# Allegro board 20250806_UNOQ.brd (continued)
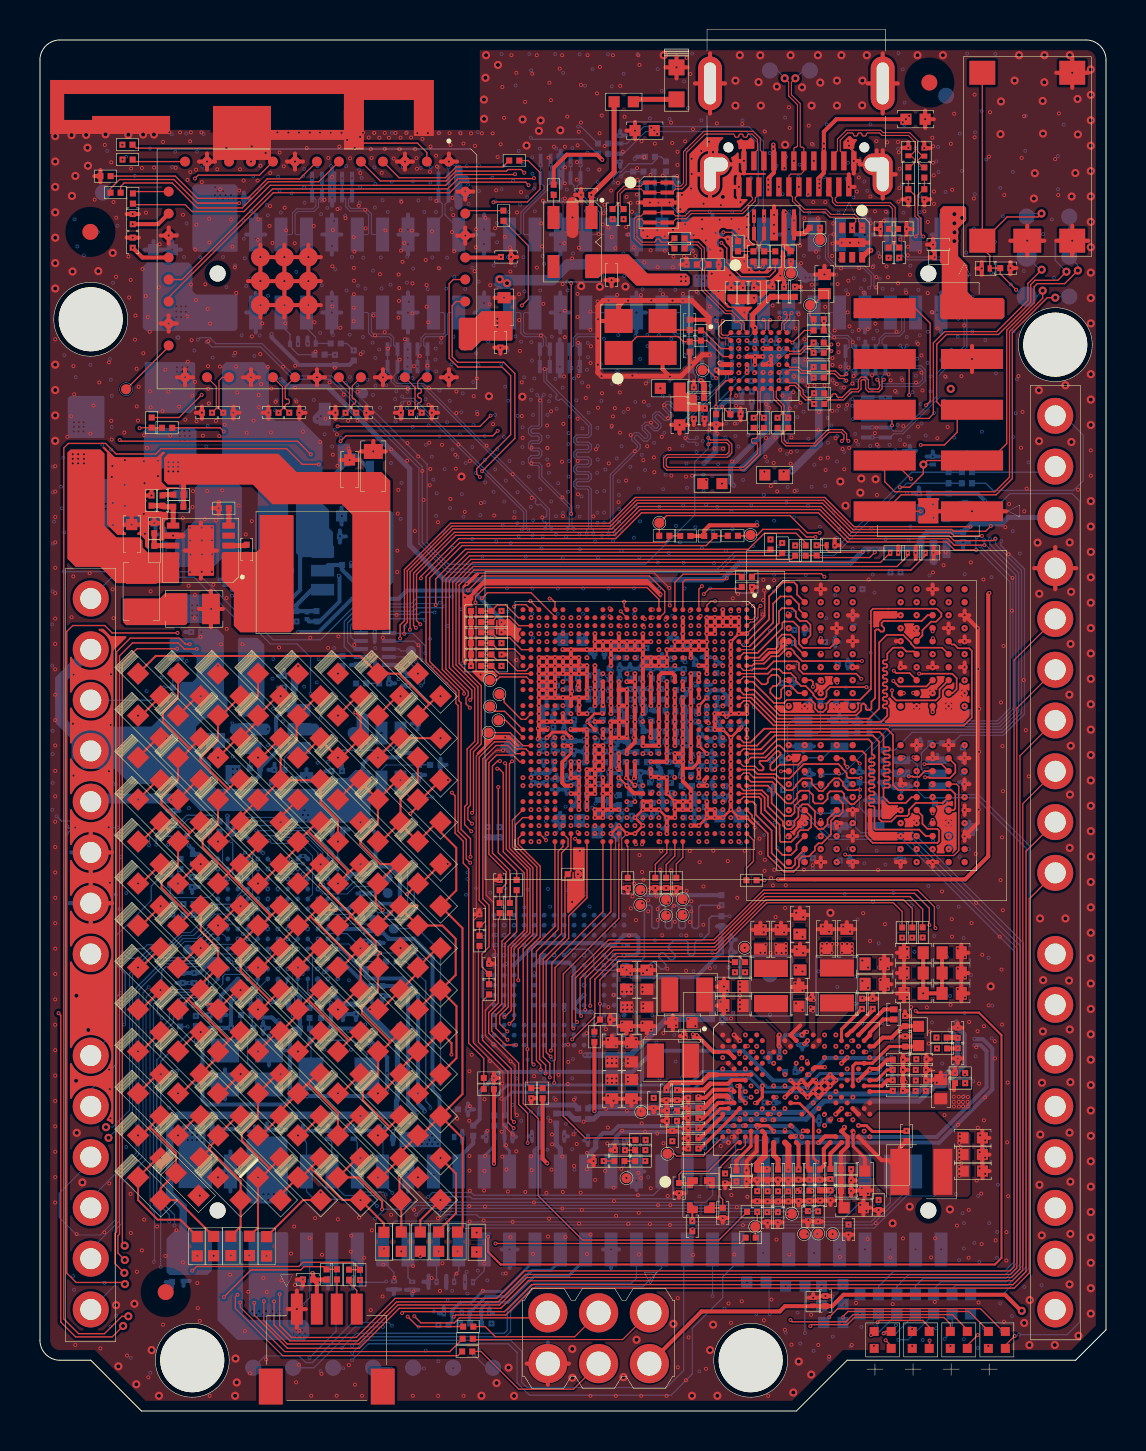
[diagram p0: board, top side]
## Routing (per net, layer and track width the routed paths; a pad name or vN(x,y) marks a point on that pad's centre or on a via; arc(x,y) is an arc through that point) (continued)
VREG_S4A_2P04V: length 10.7
  TOP w0.15: 36.04,14.28 36.04,14.28 36.43,14.28 PMIC1.V10
  TOP w0.2: PMIC1.A23 40.58,19 40.62,19 41.66,20.05 v2(41.66,20.12) ; v2(41.52,17.04) PMIC1.G27 ; PMIC1.G27 41.34,16.93 v2(40.95,16.55) ; PMIC1.G27 41.93,17.11 42.4,17.58 C505.1
  TOP w0.203: v2(36.73,14) PMIC1.V10 ; 35.9,14.28 PMIC1.U7 ; 35.9,14.28 v2(35.9,14.18) ; 35.9,14.28 36.04,14.28
  S3 w0.1: 29.72,17.62 v2(29.41,17.62)
  S3 w0.15: v2(35.9,14.18) 35.9,12.43 35.71,12.25 35.71,11.23 35.74,11.2 35.74,11.18 35.89,11.03 v2(35.89,11)
  S3 w0.203: v2(40.95,16.55) 40.97,16.56 40.97,16.69 v3(41.07,16.79) ; v2(36.73,14) 36.73,13.72 v3(36.68,13.68) ; v2(37.28,14.07) 37.29,14.07 v3(37.29,14.41) ; v3(41.43,16.78) 41.45,16.78 41.45,16.84 41.52,16.91 v2(41.52,17.04) ; v3(42.09,20.55) 41.66,20.12 v2(41.66,20.12)
  vias: v1(28.4,17.65) v1(28.4,17.4) v1(28.4,16.63) v1(28.4,16.41) v1(28.62,17.65) v1(28.62,17.4) v1(28.62,16.63) v1(28.62,16.41) v1(28.84,17.65) v1(28.84,17.4) v1(28.84,16.63) v1(28.84,16.41) v1(29.41,17.4) v1(29.41,16.7) v1(29.41,16.48) v2(28.4,17.65) v2(28.4,17.4) v2(28.4,16.63) v2(28.4,16.41) v2(28.62,17.65) v2(28.62,17.4) v2(28.62,16.63) v2(28.62,16.41) v2(28.84,17.65) v2(28.84,17.4) v2(28.84,16.63) v2(28.84,16.41) v2(29.41,17.4) v2(29.41,16.7) v2(29.41,16.48) v3(28.44,17.11) v3(28.82,17.09) v3(29.13,17.49) v3(29.13,16.71) v3(29.2,17.09)
VREG_XO: length 2.8
  S3 w0.15: v2(34.3,11.85) 34.3,11.85 35.18,12.73 35.18,13.65 35.18,14.14 v2(35.18,14.28)
VRG_CHG: length 5.5
  S3 w0.2: v2(39.98,14.56) 39.85,14.43 39.85,14.05 40.33,13.57 40.33,9.45 v2(40.46,9.32)
VSNS_S1A_APC_M: length 40.7
  TOP w0.053: v2(38.1,17.65) 38.12,17.67 PMIC1.E15
  S3 w0.066: v2(38.1,17.65) 38.1,17.66 38.31,17.86 38.4,17.86 38.4,17.9 v3(38.37,17.9)
  S6 w0.058: v3(38.37,17.9) 38.6,17.9 38.79,18.08 38.79,18.31 38.63,18.47 38.13,18.47 37.97,18.31 37.97,17.86 38.43,17.4 38.43,16.87 37.89,16.33 36.07,16.33 35.71,15.98 35.71,14.15 37.09,12.78 37.62,12.78 37.84,12.56 37.84,11.57 37.24,10.97 28.85,10.97 27.81,12.01 27.81,26.56 26.65,27.72 26.65,28.41 26.59,28.47 26.49,28.47 26.44,28.53 26.44,28.88
VSNS_S1A_APC_P: length 40.8
  TOP w0.053: v2(38.38,17.51) 38.41,17.48 PMIC1.F16
  S3 w0.066: v2(38.38,17.51) 38.52,17.51 38.59,17.58 v3(38.69,17.58)
  S6 w0.058: 26.99,28.88 26.99,28.53 26.93,28.47 26.84,28.47 26.78,28.41 26.78,27.78 27.94,26.61 27.94,12.06 28.9,11.1 37.18,11.1 37.71,11.62 37.71,12.51 37.57,12.65 37.04,12.65 35.59,14.1 35.59,16.03 36.01,16.46 37.84,16.46 38.3,16.92 38.3,17.35 37.84,17.8 37.84,18.37 38.07,18.59 38.69,18.59 38.91,18.37 38.91,18.03 38.69,17.8 v3(38.69,17.58)
VSNS_S2A_CX_M: length 34.1
  S3 w0.066: v3(37.85,16.86) 37.9,16.81 37.97,16.81 37.97,16.79 37.97,16.96 PMIC1.G15 38.12,17.11 38.11,17.11 v2(38.08,17.11)
  S6 w0.051: 37.45,18.04 37.45,18.05 37.45,18.06 37.4,18.16 37.4,18.17 37.4,20.64 v4(37.51,20.75)
  S6 w0.058: v4(29.03,39.24) 28.87,39.24 28.77,39.14 27.89,39.14 27.56,39.48 26.62,39.48 26.62,39.48 26.43,39.48 26.3,39.35 26.3,39.12 ; 37.45,18.04 37.75,17.74 37.75,17.51 37.85,17.41 v3(37.85,16.86)
  G7 w0.051: v4(37.51,20.75) 37.45,20.81 37.45,20.95 38.05,21.55 38.05,27.65 36.35,29.35 36.35,38.32 35.52,39.15 29.12,39.15 v4(29.03,39.24)
VSNS_S2A_CX_P: length 33
  S3 w0.066: v2(37.84,17.39) 37.67,17.22 37.67,17.11 37.65,17.11 37.65,17.12 37.58,17.12 v3(37.52,17.18)
  S6 w0.051: 37.35,17.96 37.33,17.98 37.33,18.04 37.31,18.1 37.29,18.12 37.29,20.64 v4(37.18,20.75)
  S6 w0.058: v4(29.03,38.91) 28.87,38.91 28.77,39.01 27.84,39.01 27.5,39.35 26.85,39.35 26.75,39.25 26.75,39.12 ; 37.35,17.96 37.62,17.69 37.62,17.51 37.52,17.41 v3(37.52,17.18)
  G7 w0.051: v4(37.18,20.75) 37.3,20.87 37.3,21.05 37.9,21.65 37.9,27.55 36.2,29.25 36.2,38.3 35.5,39 29.12,39 v4(29.03,38.91)
VSW_CHG: length 4.5
  TOP w0.2: C609.2 43.03,13.17 L601.1 42.44,12.55 42.11,12.55 41.24,13.42 PMIC1.Y26 PMIC1.W25
WCN_RFCLK2: length 74.9
  TOP w0.066: v2(29.27,13.05) R701.1
  S3 w0.064: v2(4.13,62.6) 4.13,56.53 5.11,55.55 5.11,53.44 4.52,52.86 4.52,15.87 7.72,12.67 12.87,12.67 13.81,11.73 26.62,11.73 27.93,13.05 v2(29.27,13.05)
WCN_RFCLK2_R: length 2.7
  TOP w0.066: U2901.13 4.74,62.5 R2905.2
WCN_SW_CTRL: length 37.1
  TOP w0.066: U2901.5 17.03,61.53 20.32,61.53 20.81,62.02 23.34,62.02 23.42,62.1 24.07,62.1 v2(24.23,61.94) ; SOC1.J1 32.17,41.46 32.3,41.59 34.3,41.59 v2(34.36,41.65)
  S3 w0.064: v2(24.23,61.94) 24.21,61.94 24.17,61.9 24.17,57.74 25.1,56.81 25.1,51.67 34.36,42.41 v2(34.36,41.65)
WL_CLK_OUT: length 3.1
  TOP w0.066: U2901.21 6.44,53.24 TP2901.1
WL_CMD_CLK: length 27.9
  TOP w0.066: v2(22.12,47.01) 23.76,48.65 23.76,51.9 23.2,52.46 20.9,52.46 20.62,52.73 20.62,55.3 20.83,55.5 U2901.37
  S3 w0.064: v2(31.77,38.88) 32.11,38.88 32.28,39.05 32.28,41.58 27.69,46.17 26.33,46.17 26.09,46.41 23.2,46.41 22.83,46.78 22.35,46.78 v2(22.12,47.01)
WL_CMD_DATA: length 29.4
  TOP w0.066: U2901.38 20.68,56.6 20.47,56.39 20.47,52.66 20.91,52.22 23.12,52.22 23.55,51.79 23.55,48.84 21.85,47.14 21.85,46.88 v2(22.01,46.72)
  S3 w0.064: v2(22.01,46.72) 22.16,46.57 22.75,46.57 23.13,46.19 26.08,46.19 26.27,46 27.65,46 32.11,41.54 32.11,39.17 32,39.06 31.55,39.06 v2(31.37,38.88)
WLAN0_DAC_RSET: length 3.2
  TOP w0.066: R1602.2 35.03,41.13 33.48,41.13 v1(33.21,40.86)
  G2 w0.064: v1(33.21,40.86) 33.17,40.82 33.17,39.89 v1(33.05,39.77)
WLAN_BT_COEX_CLK: length 50.4
  TOP w0.066: v2(24.71,61.67) 24.69,61.65 20.92,61.65 20.4,61.13 11.64,61.13 7.1,56.6 U2901.18
  S3 w0.064: v2(31.37,38.48) 33.21,38.48 33.81,39.08 33.81,39.7 34.4,40.3 34.4,40.83 34.98,41.41 34.98,42.26 25.44,51.79 25.44,57.13 24.71,57.86 v2(24.71,61.67)
WLAN_BT_COEX_DATA: length 50.6
  TOP w0.066: v2(24.45,61.32) 24.3,61.47 21.03,61.47 20.5,60.94 11.67,60.94 6.44,55.71 U2901.19
  S3 w0.051: 33.65,39.2 33.11,38.66 31.14,38.66 v2(30.97,38.48)
  S3 w0.064: 33.65,39.2 33.65,39.71 34.23,40.28 34.23,40.92 34.83,41.53 34.83,42.18 25.26,51.74 25.26,57.06 24.45,57.87 v2(24.45,61.32)
WLAN_RX_I_M: length 36.9
  TOP w0.05: v2(36.05,40.28) 35.92,40.15 35.92,39.7 35.69,39.46 35.55,39.46 35.37,39.28 SOC1.A3
  TOP w0.058: v2(18.57,49.94) 18.77,50.14 18.77,51.2 U2901.32
  S3 w0.053: v2(18.57,49.94) 18.6,49.91 v3(18.6,49.66) ; v3(29.06,49.86) 29.22,49.71 30.98,49.71 31.99,48.69 31.99,46.67 32.57,46.09 32.64,46.09 32.82,46.27 32.99,46.27 33.14,46.12 33.14,45.95 32.96,45.78 32.96,45.7 33.03,45.62 33.11,45.62 33.29,45.8 33.46,45.8 33.6,45.66 33.6,45.49 33.43,45.31 33.43,45.23 35.92,42.74 35.92,40.41 v2(36.05,40.28)
  S6 w0.053: v3(29.06,49.86) 28.88,49.68 28.65,49.68 28.6,49.74 28.6,50.54 28.48,50.66 28.27,50.66 28.15,50.54 28.15,49.74 28.1,49.68 27.99,49.68 27.94,49.74 27.94,50.54 27.82,50.66 27.61,50.66 27.49,50.54 27.49,49.74 27.44,49.68 27.33,49.68 27.28,49.74 27.28,50.54 27.16,50.66 26.95,50.66 26.83,50.54 26.83,49.74 26.78,49.68 21.55,49.68 20.99,50.24 20.68,50.24 20.56,50.12 20.56,49.7 20.5,49.65 20.4,49.65 20.34,49.7 20.34,50.12 20.22,50.24 20.02,50.24 19.9,50.12 19.9,49.7 19.84,49.65 19.74,49.65 19.68,49.7 19.68,50.12 19.56,50.24 18.95,50.24 18.78,50.07 18.78,49.84 v3(18.6,49.66)
WLAN_RX_I_P: length 36.8
  TOP w0.05: SOC1.A2 35.37,39.68 35.46,39.59 35.64,39.59 35.8,39.75 35.8,40.15 v2(35.67,40.28)
  TOP w0.058: U2901.33 19.12,51.71 18.9,51.49 18.9,51.2 18.96,51.15 19.02,51.15 19.08,51.09 19.08,50.97 19.02,50.91 18.96,50.91 18.9,50.85 18.9,50.74 18.96,50.68 19.02,50.68 19.08,50.62 19.08,50.5 19.02,50.45 18.96,50.45 18.9,50.39 18.9,50.14 v2(19.1,49.94)
  S3 w0.053: v2(19.1,49.94) 19.08,49.91 v3(19.08,49.66) ; v2(35.67,40.28) 35.8,40.41 35.8,42.69 33.31,45.19 33.31,45.36 33.49,45.53 33.49,45.61 33.41,45.68 33.33,45.68 33.16,45.51 32.99,45.51 32.84,45.65 32.84,45.82 33.02,46 33.02,46.08 32.94,46.15 32.87,46.15 32.69,45.98 32.52,45.98 31.88,46.62 31.88,48.64 30.93,49.59 29.27,49.59 v3(29.06,49.39)
  S6 w0.053: v3(19.08,49.66) 18.9,49.84 18.9,50.02 19,50.12 19.51,50.12 19.57,50.07 19.57,49.65 19.69,49.53 19.89,49.53 20.01,49.65 20.01,50.07 20.07,50.12 20.17,50.12 20.23,50.07 20.23,49.65 20.35,49.53 20.55,49.53 20.67,49.65 20.67,50.07 20.73,50.12 20.94,50.12 21.5,49.57 26.83,49.57 26.95,49.69 26.95,50.49 27,50.54 27.11,50.54 27.16,50.49 27.16,49.69 27.28,49.57 27.49,49.57 27.61,49.69 27.61,50.49 27.66,50.54 27.77,50.54 27.82,50.49 27.82,49.69 27.94,49.57 28.15,49.57 28.27,49.69 28.27,50.49 28.32,50.54 28.43,50.54 28.48,50.49 28.48,49.69 28.6,49.57 28.88,49.57 v3(29.06,49.39)
WLAN_RX_Q_M: length 37.5
  TOP w0.058: v2(8.61,49.94) 8.82,50.15 8.82,51.24 U2901.23
  S3 w0.053: v2(8.61,49.94) 8.83,50.16 8.83,50.23 8.83,50.23 8.83,50.79 9.01,50.97 9.32,50.97 v3(9.5,51.15) ; v2(34.97,40) 34.97,40.35 35.41,40.78 35.41,42.56 31.15,46.82 31.15,48.13 30.4,48.87 30.15,48.87 v3(29.97,49.05)
  S6 w0.053: v3(9.5,51.15) 9.68,50.97 16.09,50.97 16.54,50.52 16.54,49.5 16.89,49.15 27.91,49.15 28.19,48.87 29.79,48.87 v3(29.97,49.05)
WLAN_RX_Q_P: length 37.5
  TOP w0.058: U2901.24 9.13,51.71 8.96,51.54 8.96,50.15 v2(9.17,49.94)
  S3 w0.053: v2(34.57,40) 34.86,40.29 34.86,40.39 35.29,40.83 35.29,42.51 31.03,46.77 31.03,48.08 30.36,48.75 30.15,48.75 v3(29.97,48.57) ; v3(9.5,50.67) 9.32,50.85 9.06,50.85 8.95,50.74 8.95,50.28 8.95,50.28 8.95,50.16 v2(9.17,49.94)
  S6 w0.053: v3(9.5,50.67) 9.68,50.85 16.04,50.85 16.42,50.47 16.42,49.45 16.84,49.03 27.87,49.03 28.15,48.75 29.79,48.75 v3(29.97,48.57)
WLAN_TX_I_M: length 28.4
  TOP w0.058: v2(15.29,49.94) 15.49,50.14 15.49,51.18 U2901.29
  S3 w0.05: 32.79,39.11 v2(32.57,38.88)
  S3 w0.053: 32.79,39.11 32.89,39.11 32.89,39.1 33.12,39.1 33.38,39.36 33.38,40.48 33.38,40.6 33.54,40.76 33.54,42.26 29.77,46.02 29.26,46.02 27.16,48.12 26.8,48.12 v3(26.62,47.94) ; v3(15.32,50.27) 15.29,50.24 v2(15.29,49.94)
  S6 w0.053: v3(26.62,47.94) 26.44,48.12 25.33,48.12 24.92,48.52 16.52,48.52 15.5,49.54 15.5,50.09 v3(15.32,50.27)
WLAN_TX_I_P: length 28.3
  TOP w0.058: U2901.30 15.62,51.27 15.62,50.67 15.68,50.61 15.73,50.61 15.79,50.56 15.79,50.44 15.73,50.38 15.68,50.38 15.62,50.32 15.62,50.14 v2(15.82,49.94)
  S3 w0.05: 33.07,38.99 v2(32.97,38.88)
  S3 w0.053: v3(15.8,50.27) 15.82,50.24 v2(15.82,49.94) ; v3(26.62,48.41) 26.8,48.23 27.21,48.23 29.31,46.14 29.82,46.14 33.66,42.3 33.66,40.72 33.49,40.55 33.49,40.43 33.49,40.43 33.49,39.31 33.17,38.99 33.07,38.99
  S6 w0.053: v3(15.8,50.27) 15.62,50.09 15.62,49.59 16.56,48.64 24.97,48.64 25.37,48.23 26.44,48.23 v3(26.62,48.41)
WLAN_TX_Q_M: length 29.8
  TOP w0.058: v2(11.94,49.94) 12.14,50.14 12.14,51.23 U2901.26
  S3 w0.05: v2(32.97,39.28) 32.82,39.43 32.82,40.43 32.83,40.43 32.83,40.44
  S3 w0.053: v3(23.31,48.01) 23.49,47.83 25.58,47.83 26.28,47.13 27.34,47.13 32.83,41.65 32.83,40.44 ; v2(11.94,49.94) 11.94,49.69 v3(11.97,49.66)
  S6 w0.053: v3(23.31,48.01) 23.12,47.82 22.71,47.82 22.36,48.16 16.24,48.16 14.09,50.31 12.4,50.31 12.15,50.06 12.15,49.84 v3(11.97,49.66)
WLAN_TX_Q_P: length 29.7
  TOP w0.058: v2(12.47,49.94) 12.27,50.14 12.27,50.32 12.33,50.38 12.42,50.38 12.48,50.44 12.48,50.55 12.42,50.61 12.33,50.61 12.27,50.67 12.27,51.22 U2901.27
  S3 w0.05: 32.71,40.44 32.71,40.43 32.71,40.43 32.71,39.43 v2(32.57,39.28)
  S3 w0.053: v2(12.47,49.94) 12.47,49.68 v3(12.45,49.66) ; v3(23.31,47.53) 23.49,47.71 25.53,47.71 26.23,47.02 27.29,47.02 32.71,41.6 32.71,40.44
  S6 w0.053: v3(23.31,47.53) 23.14,47.7 22.66,47.7 22.32,48.04 16.2,48.04 14.05,50.19 12.45,50.19 12.27,50.01 12.27,49.84 v3(12.45,49.66)
WLAN_XO_CLK: length 93.1
  TOP w0.066: v2(13.55,47.85) 12.89,48.51 4.05,48.51 v2(3.99,48.57) ; C720.2 v2(28.21,12.5)
  S3 w0.064: v2(13.55,47.85) 13.62,47.92 13.95,47.92 v3(13.99,47.96) ; v2(28.21,12.5) 27.01,11.3 13.52,11.3 12.53,12.29 7.49,12.29 3.99,15.8 v2(3.99,48.57) ; v2(31.77,39.28) 31.77,39.49 31.66,39.6 31.66,39.79 31.76,39.89 31.76,41.59 27.88,45.47 26.13,45.47 25.68,45.92 22.84,45.92 22.43,46.33 21.51,46.33 v3(21.41,46.23)
  S6 w0.064: v3(13.99,47.96) 14.52,47.96 15.4,47.08 17.98,47.08 18.84,46.23 v3(21.41,46.23)
XO_THERM: length 8.9
  S3 w0.064: v2(35.86,14.85) 35.86,14.84 35.86,14.59 35.59,14.32 35.59,12.55 35.13,12.09 35.13,11.36 34.99,11.23 33.71,11.23 v2(33.52,11.42) 32.79,11.42 32.41,11.04 32.41,9.22 32.53,9.1 v2(32.65,9.1)
XOADC_GND: length 8.3
  TOP w0.1: Y701.2 32.64,10.16 v2(32.64,9.5)
  S3 w0.064: v2(32.64,9.5) 33.71,9.5 35.31,11.1 35.31,12.06 35.72,12.48 35.72,14.28 35.97,14.53 35.97,14.68 36.11,14.82 36.11,15.08 v2(36.13,15.08)
N20480751: length 3.3
  S3 w0.127: v2(40.67,15.7) 43.5,15.7 v2(43.81,16.01)
N20518421: length 3.2
  BOTTOM w0.066: U1102.5 17.09,32.08 17.32,32.31 C1106.1 18.98,32.32 R1102.2
N20519216: length 1.6
  BOTTOM w0.066: U1101.12 16.75,36.98 16.97,36.76 C1105.1 R1101.2

## Copper pours and planes (outline as drawn; the poured copper is in the pictures)
5V_BUCK_C on TOP (solid shape): 7.38,39.42 7.27,39.31 4.31,39.31 4.17,39.45 4.17,40.58 4.23,40.64 5.99,40.64 6.25,40.9 7.38,40.9
5V_BUCK_OUT on TOP (solid shape): 12.84,46.97 17.09,46.97 17.53,46.53 17.53,39.08 15.66,39.08 15.63,39.11 15.63,44.83 15.1,45.36 11.63,45.36 10.65,46.34 6.4,46.34 6.21,46.53 6.21,47.69 6.4,47.88 11.93,47.88
5V_BUCK_OUT on BOTTOM (solid shape): 7.84,49.05 7.84,47.3 7.69,47.15 5.3,47.15 5.19,47.26 5.19,49.03 5.33,49.17 7.72,49.17
5V_BUCK_OUT on S3 (solid shape): 7.72,48.37 7.72,46.94 7.6,46.82 6.32,46.82 6.24,46.9 6.24,48.43 6.29,48.48 7.61,48.48
5V_BUCK_OUT on S6 (solid shape): 7.65,49.13 7.65,47.53 7.62,47.5 6.41,47.5 6.29,47.62 6.29,49.14 6.34,49.19 7.59,49.19
5V_BUCK_SW on TOP (solid shape): 12.69,44.78 12.69,39.12 12.52,38.95 10.03,38.95 9.7,39.28 9.7,40.96 9.09,41.57 9.09,42.87 9.19,42.97 10.83,42.97 10.99,43.13 10.99,44.82 12.65,44.82
5V_BUCK_VIN on TOP (solid shape): 3.23,47.89 3.23,44.29 3.82,43.7 4.97,43.7 5.13,43.54 5.13,43.2 5.38,42.95 6.94,42.95 6.96,42.93 6.96,41.44 6.93,41.41 3.83,41.41 3.02,42.22 1.79,42.22 1.37,42.64 1.37,47.94 1.53,48.1 3.02,48.1
5V_BUCK_VIN on BOTTOM (solid shape): 3.23,50.71 3.23,48.77 3.13,48.67 1.46,48.67 1.39,48.74 1.39,50.66 1.51,50.78 3.16,50.78
5V_BUCK_VIN on S3 (solid shape): 2.83,48.85 2.83,47.31 2.75,47.23 1.51,47.23 1.39,47.35 1.39,48.83 1.61,49.05 2.63,49.05
5V_BUCK_VIN on S6 (solid shape): 2.79,51 2.79,48.13 2.62,47.96 1.48,47.96 1.39,48.05 1.39,51.02 1.51,51.14 2.65,51.14
5V_SYS on BOTTOM (solid shape): 11.46,52.2 11.46,49.84 11.77,49.53 13.09,49.53 14.14,48.48 14.14,45.38 14.46,45.05 14.46,44.16 14.65,43.98 14.65,42.71 13.01,42.71 12.81,42.91 12.81,46.66 12.25,47.22 9.4,47.22 9.11,47.51 9.11,52.28 9.3,52.47 11.19,52.47
5V_USB_VBUS on BOTTOM (solid shape): 12.38,13.57 12.38,10.5 12.25,10.37 10.54,10.37 10.33,10.58 10.33,13.56 10.5,13.73 12.22,13.73
5V_USB_VBUS on BOTTOM (solid shape): 7.77,52.4 7.77,50.16 7.54,49.93 5.43,49.93 5.24,50.12 5.24,52.47 7.7,52.47
5V_USB_VBUS on S6 (solid shape): 16,43.92 16,42.82 15.98,42.8 15.04,42.8 14.96,42.88 14.96,43.94 15.09,44.07 15.85,44.07
5V_USB_VBUS on S3: 35.73,63.75 30.47,63.75 30.36,63.86 30.36,66.62 30.45,66.71 31.56,66.71 31.68,66.59 31.68,65.26 31.99,64.95 44.43,64.95 44.54,64.84 44.54,63.99 44.35,63.8 40.34,63.8 39.72,63.19 39.72,61.97 39.38,61.64 39.38,61.22 39.19,61.03 38.92,61.03 38.87,61.07 38.87,61.8 39.16,62.08 39.16,63.03 38.45,63.73 37.08,63.73 36.86,63.51 36.86,63.06 36.56,62.76 36.56,61.02 36.52,60.98 36.09,60.98 35.96,61.12 35.96,63.53
5V_USB_VBUS on V4: 1.59,29.42 3.26,29.42 4.08,28.6 4.08,8.8 4.46,8.42 7.26,8.42 7.5,8.66 7.5,20.76 6.87,21.39 6.87,30.8 6.04,31.63 1.64,31.63 1.45,31.44 1.45,29.56
5V_USB_VBUS on V5: 15.57,42.85 13.56,42.85 11.3,45.11 5.56,45.11 5.46,45.21 5.46,46.52 5.55,46.61 11.66,46.61 14.07,44.2 15.7,44.2 15.7,42.98
5V_USB_VBUS on S6: 5.62,10.12 6,10.12 6.29,9.82 6.29,9.29 6.86,8.72 6.86,8.36 5.64,8.36 5.51,8.48 5.51,10.02
5V_USB_VBUS on S6: 0.99,29.57 5.22,29.57 6.16,30.51 6.16,33.08 4.85,34.39 4.85,41.86 5.69,42.7 5.69,44.52 6.11,44.95 6.11,49.18 6.41,49.48 7.41,49.48 7.57,49.64 7.57,52.31 7.48,52.4 6.38,52.4 6.1,52.68 6.1,61.14 7.61,62.65 23.26,62.65 23.75,63.15 23.75,65.44 24.96,66.64 29.04,66.64 32.06,63.62 44.36,63.62 44.46,63.72 44.46,64.99 44.33,65.12 43.64,65.12 43.51,64.99 33.13,64.99 30.24,67.88 23.99,67.88 22.55,66.44 22.55,64.28 22.12,63.86 6.28,63.86 4.17,61.75 4.17,52.84 3.91,52.58 3.91,44.93 3.1,44.12 1.88,44.12 0.89,43.13 0.89,29.67
5V_USB_VBUS on G7: 12.34,8.3 12.34,11.5 12.23,11.61 5.65,11.61 5.44,11.4 5.44,8.57 5.88,8.13 12.17,8.13
AVDD3P0V on TOP (solid shape): 30.4,56.9 32.33,56.9 32.51,56.72 32.51,56.39 32.41,56.29 29.84,56.29 29.24,56.9 28.17,56.9 27.94,56.67 27.3,56.67 27.28,56.69 27.28,57.81 27.33,57.86 29.44,57.86
DVDD1P0V on BOTTOM (solid shape): 39.38,52.48 39.38,51.59 38.73,51.59 38.54,51.4 37.01,51.4 36.97,51.44 36.97,52 37.12,52.15 37.5,52.15 37.59,52.24 37.59,52.65 37.65,52.71 39.15,52.71
DVDD1P0V on S6 (solid shape): 37.48,52.09 37.48,51.53 37.36,51.41 36.98,51.41 36.93,51.46 36.93,51.74 36.09,52.58 36.09,52.7 36.2,52.81 36.76,52.81
DVDD1P8V on BOTTOM (solid shape): 37.42,53.18 37.42,53 36.72,52.3 36.72,50.51 36.64,50.43 35.97,50.43 35.9,50.5 35.9,52.32 36.18,52.6 36.18,53.05 36.2,53.07 37.01,53.07 37.21,53.27 37.33,53.27
GND on TOP (solid shape): 8.71,41.79 7.41,41.79 7.41,44.3 8.71,44.3
GND on TOP (solid shape): 11.56,63.63 8.66,63.63 8.66,65.28 11.56,65.28
GND on TOP (solid shape): 41.54,30.14 41.64,30.14 41.64,29.14 41.65,29.1 41.67,29.06 41.73,29 41.77,28.97 41.82,28.97 42.86,28.97 42.9,28.94 42.9,28.89 42.86,28.83 42.85,28.76 42.86,28.68 42.9,28.62 42.91,28.57 42.86,28.54 42.08,28.54 42.07,28.54 41.71,28.54 41.43,28.82 41.43,30.1 41.45,30.14 41.5,30.14
GND on TOP (solid shape): 27.26,25.71 26.46,24.91 26.41,24.9 26.38,24.95 26.38,26.62 26.56,26.62 26.61,26.64 26.63,26.7 26.63,26.92 26.67,26.96 26.7,26.96 26.71,26.94 26.71,26.7 26.73,26.66 26.76,26.65 27.07,26.65 27.1,26.66 27.12,26.7 27.12,27 27.1,27.04 27.07,27.05 26.76,27.05 26.74,27.05 26.7,27.05 26.68,27.09 26.68,28.19 27.26,28.19
GND on TOP (solid shape): 23.98,33.31 23.99,33.26 23.95,33.23 23.88,33.23 23.55,33.55 23.52,33.57 23.48,33.58 22.74,33.58 22.7,33.57 22.67,33.55 21.93,32.82 21.88,32.81 21.85,32.85 21.85,32.91 22.19,33.26 22.23,33.31 22.24,33.37 22.24,33.59 22.26,33.63 22.31,33.63 22.38,33.61 22.45,33.6 22.64,33.66 22.76,33.82 23.47,33.82
GND on TOP (solid shape): 37.26,38.72 37.3,38.69 37.3,38.64 37.26,38.58 37.25,38.51 37.29,38.38 37.4,38.3 37.42,38.3 37.42,38.26 37.35,38.26 37.3,38.25 37.26,38.22 36.91,37.87 36.59,37.87 36.54,37.86 36.5,37.83 36.18,37.51 35.74,37.51 35.66,37.5 35.66,37.56 35.97,37.56 36.02,37.57 36.06,37.6 36.46,38.01 36.8,38.01 36.85,38.02 36.89,38.04 36.99,38.14 37.01,38.18 37.02,38.23 37.02,38.57 37.18,38.72
GND on TOP (solid shape): outline of 83 points within 21.13,37.32 31.1,41.91
GND on TOP (solid shape): 34.14,63.72 34.19,63.69 34.17,63.63 34,63.45 33.94,63.21 33.95,63.15 33.95,63.09 33.95,63.05 33.91,63.03 33.68,63.03 33.6,63.03 33.53,63.03 33.08,62.85 32.9,62.41 32.9,61.31 33.53,60.68 34.15,61.31 34.15,61.7 34.51,61.95 34.65,62.36 34.63,62.51 34.58,62.66 34.58,62.7 34.61,62.73 34.76,62.81 34.87,62.93 34.92,62.95 34.96,62.91 34.96,62.06 35,61.97 35.09,61.93 36.27,61.93 36.31,61.89 36.28,61.83 34.84,61.83 34.75,61.8 34.71,61.71 34.71,60.76 34.75,60.67 34.84,60.63 35.36,60.63 35.4,60.6 35.39,60.55 35.03,60.19 32.53,60.19 32.47,60.18 32.42,60.14 32.21,59.93 31.87,59.93 31.85,59.96 31.85,60.05 31.84,60.09 31.82,60.13 31.81,60.15 31.82,60.17 31.84,60.21 31.85,60.25 31.85,60.65 31.84,60.69 31.82,60.73 31.81,60.75 31.82,60.77 31.84,60.81 31.85,60.85 31.85,60.96 31.86,60.98 32.12,60.98 32.18,60.99 32.23,61.02 32.45,61.24 32.48,61.29 32.49,61.35 32.49,62.88 33.34,63.72
GND on TOP (solid shape): outline of 112 points within 33.4,54.54 37.36,58.08
GND on TOP (solid shape): outline of 125 points within 3.13,43.14 6.93,48.24
GND on TOP (solid shape): outline of 210 points within 44.77,27.9 45.86,30.52
GND on TOP (solid shape): outline of 153 points within 30.02,56.9 36.63,59.95
GND on TOP (solid shape): outline of 297 points within 42.27,34.42 46.51,36.44
GND on TOP (solid shape): outline of 247 points within 21.62,36.48 24.08,40.26
GND on S3 (solid shape): 40.28,41.35 40.32,41.37 40.36,41.34 40.38,41.28 40.42,41.23 40.42,41.11 40.46,40.98 40.57,40.89 40.61,40.86 40.59,40.81 40.44,40.66 40.44,40.35 40.58,40.21 40.97,40.21 41.07,40.1 41.07,39.76 40.91,39.59 40.33,39.59 40.3,39.57 40.25,39.55 40.22,39.6 40.22,40.54 40.21,40.58 40.18,40.61 40.03,40.77 40.02,40.82 40.06,40.85 40.1,40.85 40.23,40.99 40.23,41.31
GND on S3 (solid shape): outline of 181 points within 39.97,36.97 43.87,39.14
GND on S3 (solid shape): outline of 100 points within 36.64,37.66 40,39.92
GND on S3 (solid shape): outline of 223 points within 35.61,43.48 37.99,51.87
GND on S3 (solid shape): outline of 337 points within 38.84,35.7 43.88,37.6
GND on S3 (solid shape): outline of 379 points within 42.7,33.52 46.78,41.55
GND on S3 (solid shape): outline of 645 points within 13,38.49 21.21,52.46
GND on S3 (solid shape): outline of 18503 points within 0.51,0.51 52.83,68.07
GND on BOTTOM, V4, V5, G7: 1,3.05 0.65,3.19 0.51,3.54 0.51,67.58 0.65,67.93 1,68.07 52.34,68.07 52.69,67.93 52.83,67.58 52.83,4.27 51.61,3.05 40.18,3.05 37.64,0.51 5.29,0.51 2.75,3.05
GND on G2: 1,3.05 0.65,3.19 0.51,3.54 0.51,67.58 0.65,67.93 1,68.07 52.34,68.07 52.69,67.93 52.83,67.58 52.83,4.27 51.61,3.05 40.18,3.05 37.64,0.51 5.29,0.51 2.75,3.05 ; 2 cut-outs
VBAT on BOTTOM (solid shape): 8.28,13.28 8.61,12.95 8.61,11.15 6.93,11.15 6.93,14.09 7.17,14.33 8.28,14.33
VBAT on BOTTOM (solid shape): 8.56,40.61 8.56,39.55 8.43,39.42 6.73,39.42 6.56,39.59 6.56,40.6 6.8,40.84 8.33,40.84
VBAT on S6 (solid shape): 8.27,40.67 8.27,39.68 8.18,39.59 6.34,39.59 6.18,39.75 6.18,40.68 6.34,40.84 8.1,40.84
VBAT on S6 (solid shape): 15.79,7.24 15.79,6.64 15.63,6.48 14.32,6.48 13.67,7.14 13.67,7.49 13.92,7.75 15.28,7.75
VBAT on TOP: 45.56,16.16 46.59,16.16 46.59,15.16 46.49,15.06 44.93,15.06 44.93,15.06 41.91,15.06 41.61,14.76 41.45,14.76 41.15,15.06 41.15,15.29 41.55,15.7 44.55,15.7 44.86,16 45.4,16
VBAT on S3: 45.59,15.79 45.59,14.78 47.07,14.78 47.07,15.79
VBAT on V5: 5.33,40.72 5.33,33.3 8.92,29.72 8.92,19.18 6.6,16.87 6.6,15.88 5.95,15.23 5.95,9.3 6.6,8.65 6.6,7.57 10.72,3.45 22.07,3.45 24.94,6.32 48.18,6.32 49.28,7.42 49.28,15.43 48.54,16.17 45.95,16.17 45.62,15.84 45.62,14.97 47.17,13.42 47.17,11.1 45.01,8.94 23.06,8.94 20.5,6.38 17.78,6.38 16.61,7.54 14.02,7.54 12.17,9.4 12.17,31.39 8.6,34.96 8.6,40.69 8.27,41.02 5.64,41.02
VBAT on G7: 15.88,15.16 16.51,14.53 16.51,7.05 16.35,6.89 13.08,6.89 12.68,7.29 12.68,11.53 12.42,11.79 7.59,11.79 7.04,12.34 7.04,14.99 7.21,15.16
(no net) on TOP, S6: 1,3.05 0.65,3.19 0.51,3.54 0.51,67.58 0.65,67.93 1,68.07 52.34,68.07 52.69,67.93 52.83,67.58 52.83,4.27 51.61,3.05 40.18,3.05 37.64,0.51 5.29,0.51 2.75,3.05
(no net) on G2: 1,3.04 0.65,3.19 0.51,3.54 0.51,67.58 0.65,67.93 1,68.08 52.34,68.08 52.69,67.93 52.84,67.58 52.84,4.27 51.61,3.04 40.18,3.04 37.64,0.51 5.29,0.51 2.75,3.04
(no net) on S3: 1,3.05 0.65,3.19 0.51,3.54 0.51,67.58 0.65,67.93 1,68.07 52.34,68.07 52.69,67.93 52.83,67.58 52.83,4.27 51.61,3.05 40.18,3.05 37.64,0.51 5.29,0.51 2.75,3.05 ; 1 cut-out
(no net) on S3, S6: 1,68.58 0.29,68.29 0,67.58 0,3.54 0.29,2.83 1,2.54 2.54,2.54 5.08,0 37.85,0 40.39,2.54 51.82,2.54 53.34,4.06 53.34,67.58 53.05,68.29 52.34,68.58
DC_IN on BOTTOM (solid shape): 5.11,46.53 5.11,44.27 5.04,44.2 1.55,44.2 1.38,44.37 1.38,46.53 1.47,46.62 5.02,46.62
DC_IN on BOTTOM (solid shape): 7.63,57.26 7.63,56.02 7.8,55.85 9.88,55.85 9.88,54.15 9.76,54.03 5.3,54.03 5.14,54.19 5.14,57.23 5.36,57.45 7.44,57.45
DC_IN on S6 (solid shape): 3.47,46.03 3.47,45.12 3.28,44.93 1.68,44.93 1.44,45.17 1.44,46.13 1.55,46.24 3.26,46.24
DC_IN on S6 (solid shape): 7.66,55.66 7.66,54.25 7.53,54.12 6.42,54.12 6.3,54.24 6.3,55.61 6.52,55.83 7.49,55.83
DC_IN on S3: 7.5,55.82 6.31,55.82 6.19,55.7 6.19,54.16 6.26,54.09 7.49,54.09 7.56,54.16 7.56,55.76
DC_IN on V5: 1.7,21.32 3.6,21.32 4.07,21.79 4.07,48.54 6.34,50.81 6.34,53.44 6.71,53.81 7.96,53.81 8.04,53.89 8.04,55.45 7.55,55.93 5.23,55.93 4.32,55.02 4.32,54.27 2.64,52.59 1.75,52.59 1.14,51.98 1.14,21.88
LDO1_LX on BOTTOM (solid shape): 12.42,46.28 12.42,42.8 12.29,42.67 11,42.67 10.9,42.77 10.9,46.3 11.05,46.46 12.24,46.46
LDO2_LX on BOTTOM (solid shape): 11.23,38.33 11.23,34.75 9.98,34.75 9.91,34.82 9.91,38.61 9.98,38.68 10.88,38.68
PWR_3P3V on BOTTOM (solid shape): 12.42,8.88 12.42,4.87 12.26,4.71 10.64,4.71 10.44,4.91 10.44,8.93 12.37,8.93
PWR_3P3V on BOTTOM (solid shape): 9.89,61.23 9.89,58 7.77,58 7.62,58.15 7.62,61.22 7.76,61.36 9.76,61.36
PWR_3P3V on BOTTOM (solid shape): 9.2,38.79 9.2,35.88 9.39,35.69 9.39,34.74 9.29,34.64 8.23,34.64 7.82,34.23 7.82,33.11 8.57,32.36 8.57,31.37 8.82,31.12 13.85,31.12 14.4,31.67 15.4,31.67 15.79,32.06 16.43,32.06 16.54,31.95 16.54,29.56 16.41,29.43 12.53,29.43 11.94,30.02 8.02,30.02 6.69,31.35 4.52,31.35 3.76,32.11 2.16,32.11 1.57,32.7 1.57,33.82 1.98,34.23 5.57,34.23 6.98,35.64 6.98,36.35 7.11,36.48 7.65,36.48 7.82,36.65 7.82,37.68 7.56,37.94 6.64,37.94 6.49,38.09 6.49,38.6 6.55,38.66 7.81,38.66 7.92,38.77 7.92,39.14 8.85,39.14
PWR_3P3V on S3 (solid shape): 27.46,65.93 27.46,65.27 27.35,65.16 26.57,65.16 26.2,65.52 26.2,65.86 26.33,65.99 27.4,65.99
PWR_3P3V on S6 (solid shape): 12.43,4.83 12.43,4.1 12.22,3.89 10.85,3.89 10.46,4.28 10.46,5 10.54,5.08 12.18,5.08
PWR_3P3V on S6 (solid shape): 10.02,61.66 10.02,60.72 9.85,60.55 8.82,60.55 8.63,60.74 8.63,61.65 8.84,61.86 9.81,61.86
PWR_3P3V on S6 (solid shape): 28.27,65.95 28.27,65.09 28.2,65.01 25.35,65.01 25.28,65.08 25.28,65.91 25.4,66.03 28.19,66.03
PWR_3P3V on G7 (solid shape): 26.26,65.9 26.26,65.12 26.15,65.01 25.35,65.01 25.28,65.08 25.28,65.91 25.4,66.03 26.13,66.03
PWR_3P3V on V4: 7.11,21.74 7.11,25.04 7.58,25.51 7.58,31.4 7.18,31.8 1.82,31.8 1.38,32.24 1.38,39.03 1.56,39.21 7.57,39.21 7.79,38.99 7.79,36.27 10.04,34.02 10.04,30.47 10.26,30.25 12.96,30.25 13.58,29.63 13.58,14.42 15.75,12.25 15.75,5.08 14.44,3.77 10.56,3.77 7.79,6.54 7.79,21.06
PWR_3P3V on V5: 14.3,7.82 15.24,7.82 15.96,8.54 15.96,11.29 18.24,13.57 20.97,13.57 21.64,12.9 21.64,11.38 22.76,10.26 31.96,10.26 32.58,10.88 32.58,11.64 32.42,11.8 25.18,11.8 21.46,15.52 17.57,15.52 14.51,18.58 14.51,20.65 14.37,20.79 12.71,20.79 12.71,17.95 15.51,15.15 15.51,13.48 14.17,12.14 14.17,7.95
PWR_3P3V on S6: 12.8,30.23 13.34,30.23 13.51,30.05 13.51,27.89 13.26,27.64 12.83,27.64 12.67,27.79 12.67,30.1
